# KiCad board motherboard_v1.kicad_pcb (continued)
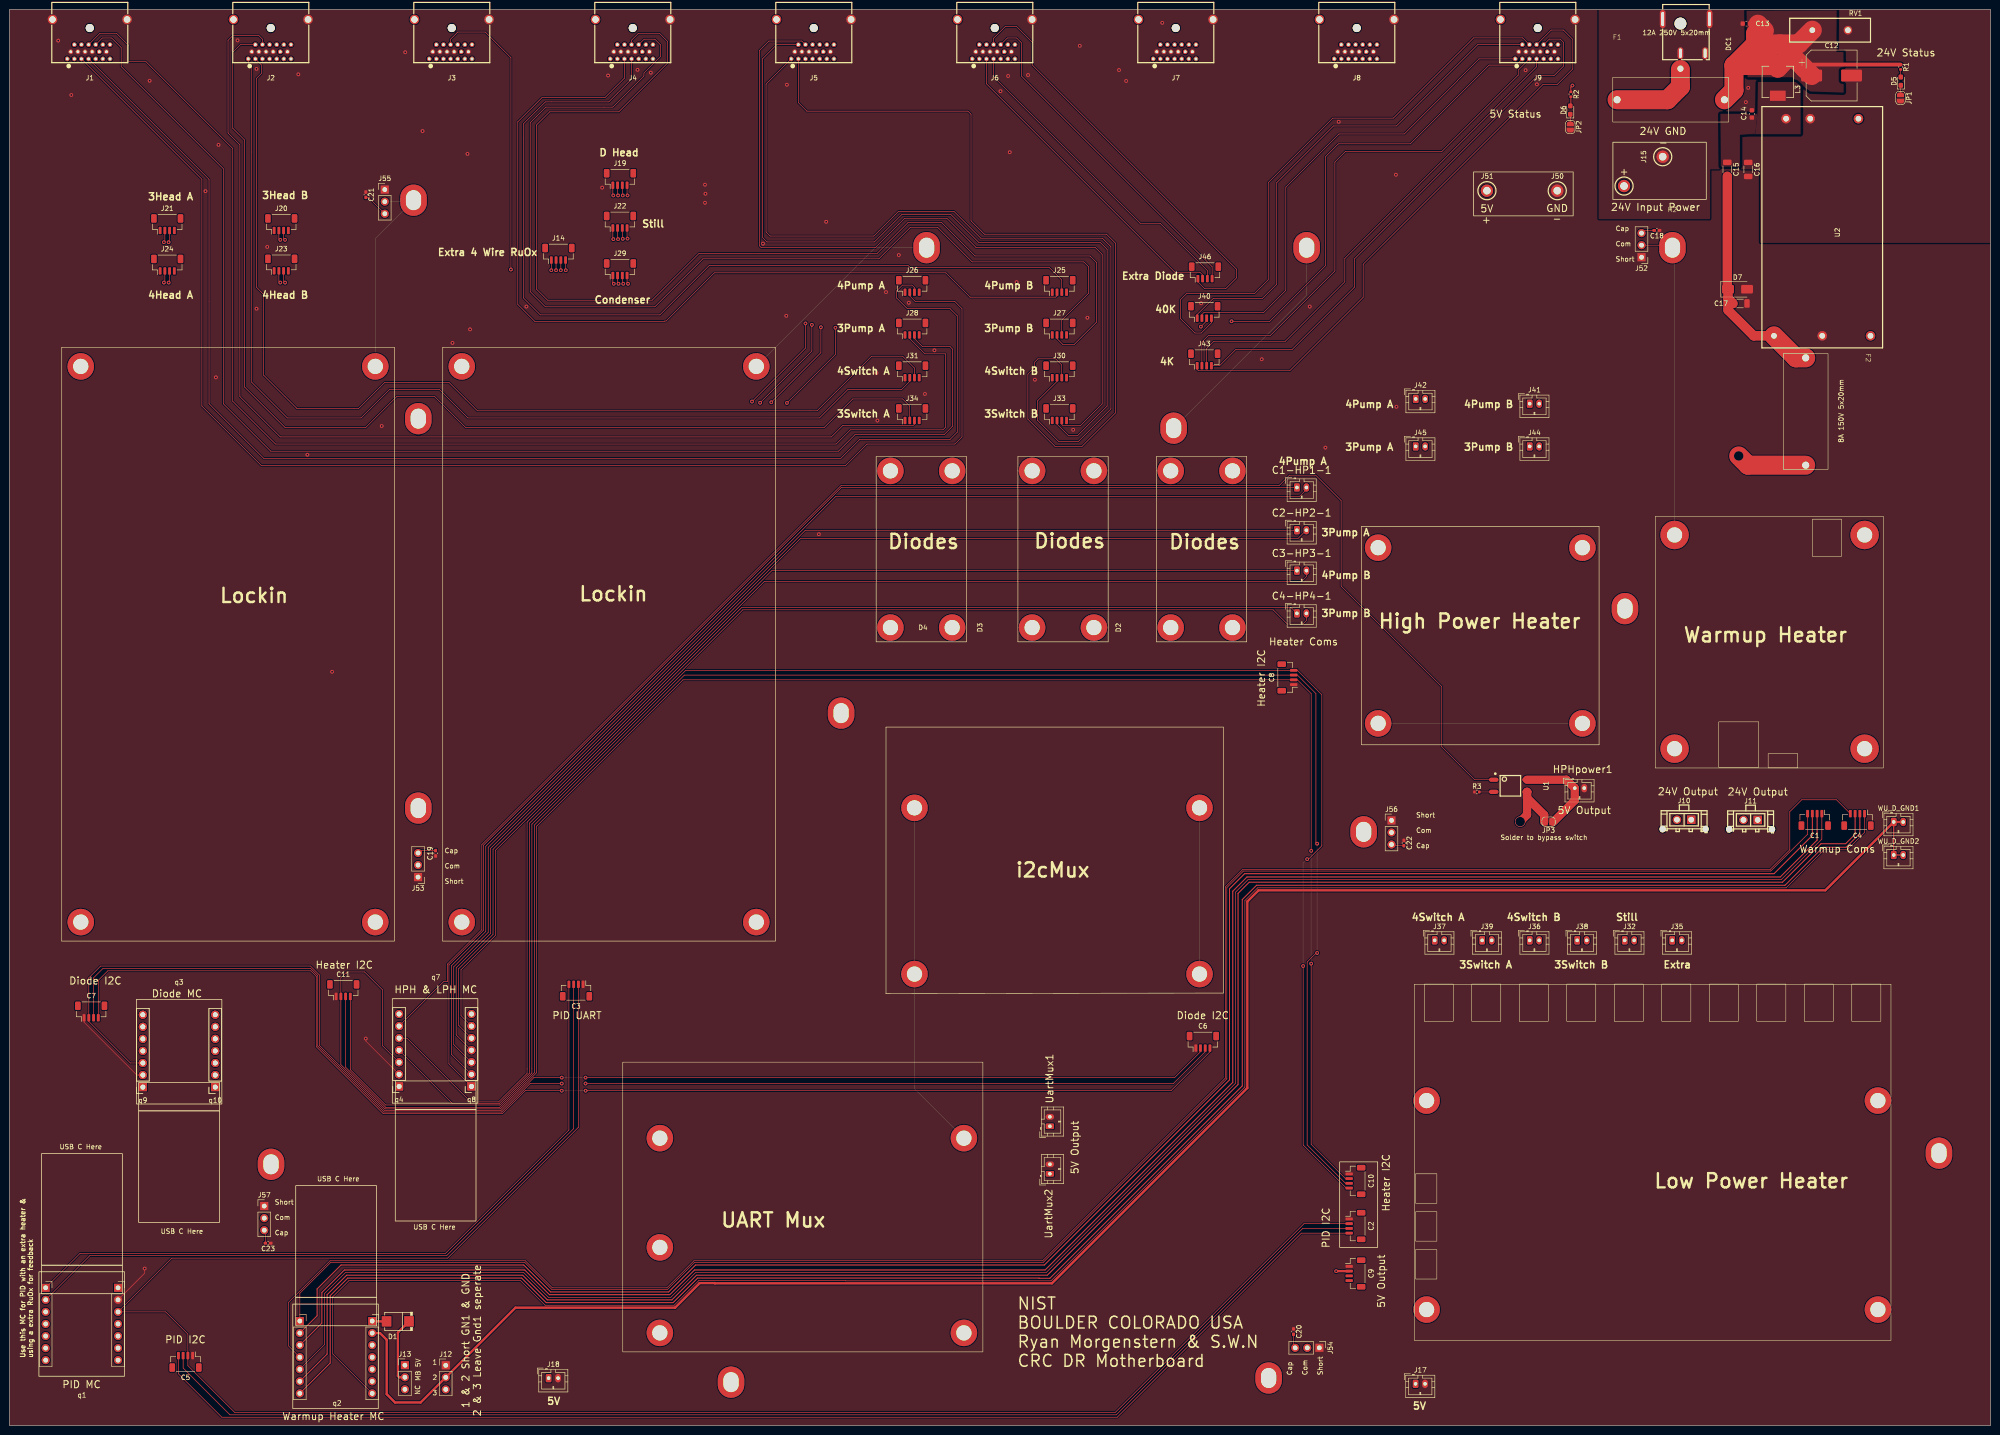
[diagram p0: board, top side]
## Nets (continued)
Net-(J27-SDA): J4.12 J27.3
Net-(J27-VCC): J4.10 J27.2
Net-(J29-gnd): J8.4 J29.1
Net-(J29-SCL): J8.6 J29.4
Net-(J29-SDA): J8.3 J29.3
Net-(J29-VCC): J8.1 J29.2
Net-(J30-SDA): J5.3 J30.3
Net-(J30-VCC): J5.1 J30.2
Net-(J32-Pin_1): J8.7 J32.1
Net-(J32-Pin_2): J8.9 J32.2
Net-(J33-SDA): J5.6 J33.3
Net-(J33-VCC): J5.4 J33.2
Net-(J35-Pin_1): J8.10 J35.1
Net-(J35-Pin_2): J8.12 J35.2
Net-(J36-Pin_1): J5.7 J36.1
Net-(J36-Pin_2): J5.9 J36.2
Net-(J38-Pin_1): J5.10 J38.1
Net-(J38-Pin_2): J5.12 J38.2
Net-(J40-gnd): J9.4 J40.1
Net-(J40-SCL): J9.6 J40.4
Net-(J40-SDA): J9.3 J40.3
Net-(J40-VCC): J9.1 J40.2
Net-(J41-Pin_1): J6.1 J41.1
Net-(J41-Pin_2): J6.3 J41.2
Net-(J43-gnd): J9.10 J43.1
Net-(J43-SCL): J9.12 J43.4
Net-(J43-SDA): J9.9 J43.3
Net-(J43-VCC): J9.7 J43.2
Net-(J44-Pin_1): J6.4 J44.1
Net-(J44-Pin_2): J6.6 J44.2
Net-(J46-gnd): J6.10 J46.1
Net-(J46-SCL): J6.12 J46.4
Net-(J46-SDA): J6.9 J46.3
Net-(J46-VCC): J6.7 J46.2
Net-(J52-Pin_3): C18.2 J52.3
Net-(J53-Pin_3): C19.2 J53.3
Net-(J54-Pin_3): C20.2 J54.3
Net-(J55-Pin_3): C21.2 J55.3
Net-(J56-Pin_3): C22.2 J56.3
Net-(J57-Pin_3): C23.2 J57.3
Net-(q7-GPIO6): q7.13 U1.1
Net-(R3-Pad2): R3.2 U1.2

Pads without a net: C1 MP; C2 MP; C3 MP; C4 MP; C5 MP; C6 MP; C7 MP; C8 MP; C9 3 4 MP; C10 MP; C11 MP; J1 13 14 15 16 18 19; J2 13 14 15 16 18 19 21; J3 13 14 15 16 18 19 21; J4 13 14 15 16 18 19 21; J5 13 14 15 16 18 19 21; J6 13 14 15 16 18 19 21; J7 13 14 15 16 18 19 21; J8 13 14 15 16 18 19 21; J9 13 14 15 16 18 19 21; J12 3; J13 3; J14 MP; J19 MP; J20 1 4 MP; J21 1 4 MP; J22 MP; J23 1 4 MP; J24 1 4 MP; J25 1 4 MP; J26 1 4 MP; J27 1 4 MP; J28 1 4 MP; J29 MP; J30 1 4 MP; J31 1 4 MP; J33 1 4 MP; J34 1 4 MP; J40 MP; J43 MP; J46 MP; q1 3 4 5 6 7 8 11 12 13 14; q2 10 11 12 13; q3 1 2 3 4 5 6 7 8 11 12 13 14; q4 1 2 3 4 5 6 7; q7 7 8 14; q8 1 2 3 4 5 6 7; q9 1 2 3 4 5 6 7; q10 1 2 3 4 5 6 7; U2 3 4

## Via types
v1: diameter 0.8, hole 0.4, Top to Bottom, 113 vias
v2: diameter 2.2, hole 2, Top to Bottom, 2 vias

## Routing (per net, layer and track width the routed paths; a pad name or vN(x,y) marks a point on that pad's centre or on a via; arc(x,y) is an arc through that point)
+5V: length 33.8
  Top w0.2: R2.1 328.67,281.81 v1(329,282.15)
  Top w0.5: v1(279.25,32.5) 279.26,32.51 C9.2
  Top w1.75: 323.04,127.12 323.04,128.56 319.44,132.16 U1.3 319.44,128.59 v2(318,127.15)
  Top w4: v2(364,204.15) 365.95,202.2 F2.2
+24V: length 123.5
  Top w0.8: R1.1 378.4,286.55 377.73,285.88
  Top w4: F1.2 363,281.15 363,286.35 ; 372.7,290.9 376.59,290.9 RV1.1 ; 372.7,290.9 375.48,288.12 ; 372.7,290.9 367.55,290.9 ; 367.55,290.9 367.55,290.48 371.68,286.35 ; 367.55,290.9 363,286.35 ; 367.55,290.9 367.55,293.05 368.8,294.3 ; 371.68,286.35 363,286.35 ; 371.68,286.35 L3.1 374.53,288.12 375.48,288.12 ; 375.48,288.12 C12.1 ; 369.4,293.7 368.05,295.05
  In3.Cu w3: 368,287 367.72,287.28 367.72,290.91
  In3.Cu w4: 363.16,286.35 361,284.19 F1.2 ; 363.16,286.35 367.72,290.91 376.6,290.91 RV1.1 ; 363.16,286.35 363,286.35 ; 363,286.35 365.65,286.35 366,286 ; 363,286.35 367.35,286.35 368,287
GND: length 37.3
  Top w0.127: v1(75,81.47) 75,80.95 q7.9 ; v1(28.45,33.05) 28.45,32.06 q1.9 ; C7.1 15.69,84.9 26.8,73.79 q3.9
  vias: v1(10.25,291.6) v1(13,280.15) v1(29.5,283.15) v1(41.25,259.9) v1(43.45,220.7) v1(44,269.65) v1(48,291.65) v1(52,285.65) v1(52,235.15) v1(54.25,248.15) v1(60.8,284.5) v1(62.7,204.4) v1(67.9,158.7) v1(78.35,210.45) v1(83.3,289.15) v1(86.95,272.55) v1(93.25,227.95) v1(96.4,267.75) v1(96.95,230.8) v1(108.8,235.6) v1(124.75,260.65) v1(126,284.25) v1(132.2,285.45) v1(135,284.85) v1(146.4,261.25) v1(146.4,257.45) v1(146.5,259.35) v1(158.6,248.85) v1(163.5,233.65) v1(163.65,282.3) v1(170.37,187.68) v1(171.9,253.45) v1(182.5,221.6) v1(182.7,211.6) v1(184.5,238.65) v1(187.2,246.45) v1(189.3,236.4) v1(192.7,217.2) v1(194.7,226.4) v1(208.6,280.95) v1(210.2,284.15) v1(210.55,268.1) v1(212,240.75) v1(214.4,284.35) v1(215.85,220.2) v1(223.9,209.65) v1(225.3,290.5) v1(226.9,233.25) v1(233.55,285.4) v1(235.05,283.1) v1(242.65,295.35) v1(250.83,236.3) v1(263.6,224.51) v1(273.7,235.6) v1(277,205.9) v1(279.8,274.51) v1(291.84,263.35) v1(291.95,214.5) v1(319.14,285.37) v1(321.52,282.4)
GND1: length 417.6
  Top w0.25: WU_D_GND1.1 WU_D_GND2.1 WU_D_GND2.2
  Top w0.5: q2.9 77.99,19.46 79.4,18.05 79.4,6.6 81.15,4.85 86.54,4.85 J12.2 106.5,24.81 140.12,24.81 145.29,29.98 148.45,29.98 148.49,29.94 219.44,29.94 260.56,71.06 260.56,110.31 262.94,112.69 382.24,112.69 WU_D_GND1.1 WU_D_GND1.2
GNDPWR:
  vias: v1(365.5,278.65) v1(366,281.65)
/CTRL 1: length 398
  Top w0.2: q2.2 64.75,23.1 64.75,28.75 69.79,33.79 108.24,33.79 113.91,28.12 138.74,28.12 144.42,33.79 217.84,33.79 256.81,72.77 256.81,113.02 259.98,116.19 371.44,116.19 379.5,124.25 C1.3
/CTRL 2: length 414.6
  Top w0.2: C4.3 388.5,124.5 386.5,122.5 381.32,122.5 373.21,114.39 260.96,114.39 258.61,112.04 258.61,71.79 218.46,31.64 144.63,31.64 139.44,26.45 113.22,26.45 108.02,31.64 70.96,31.64 66.86,27.54 66.86,15.05 q2.6
/HP_q2_SCL 1: length 403.8
  Top w0.127: C11.4 71.75,74.9 79.16,67.49 103.23,67.49 109.96,74.22 109.96,126.63 142.34,159.01 C8.4 271.1,159.01 276.25,153.86 276.25,122.06 273.44,119.25 v1(273.16,119.25) ; C10.4 281.38,49.99 272.31,59.06 v1(272.31,96.75)
  Bottom w0.127: v1(272.31,96.75) 272.31,118.41 v1(273.16,119.25)
/HP_q2_SDA 1: length 401.6
  Top w0.127: 70.75,91.12 C11.3 70.75,75.44 79.2,66.99 103.2,66.99 110.47,74.26 110.47,126.42 142.06,158.01 C8.3 271.1,158.01 275,154.11 275,122.75 v1(275.25,122.5) ; C10.3 281.23,50.99 273.16,59.06 273.16,97.6 275.06,99.5 v1(275.25,99.5)
  Bottom w0.127: v1(275.25,99.5) v1(275.25,122.5)
/ISMON 1: length 395.9
  Top w0.127: q2.1 61.11,27.84 67.62,34.36 108.44,34.36 114.13,28.66 138.52,28.66 144.21,34.36 217.61,34.36 256.25,73 256.25,113.25 259.75,116.75 370.75,116.75 378.5,124.5 C1.4
/ISMON 2: length 419.3
  Top w0.127: q2.4 59.87,15.62 59.87,15.63 58.75,16.75 58.75,25.95 67.49,34.68 108.58,34.68 114.27,28.99 138.38,28.99 144.07,34.68 217.47,34.68 255.92,73.14 255.92,113.39 259.61,117.08 370.61,117.08 374.75,121.21 374.75,129.25 377.25,131.75 384.58,131.75 C4.4
/PWM 1: length 400.7
  Top w0.2: C1.2 380.5,123.25 372.75,115.5 260.5,115.5 257.5,112.5 257.5,72.25 218,32.75 144.2,32.75 138.99,27.54 113.67,27.54 108.46,32.75 70.5,32.75 65.75,28 65.75,21.56 q2.3
/PWM 2: length 417
  Top w0.2: C4.2 389.5,124.65 386.6,121.75 381.75,121.75 373.75,113.75 262.5,113.75 259.5,110.75 259.5,71.5 219,31 216.75,31 216.71,31.04 144.85,31.04 139.68,25.87 112.98,25.87 107.8,31.04 71.21,31.04 67.5,27.33 67.5,13.15 q2.7
/Q1_3.3V: length 291.4
  Top w0.127: q3.10 25.44,76.33 16.69,85.08 C7.2 16.69,94.25 19.19,96.75 63.34,96.75 65.22,94.87 65.22,80.04 78.93,66.34 103.47,66.34 110.38,73.25 v1(116.25,73.25) ; 250.7,79.47 250.7,78.7 245.25,73.25 v1(121.25,73.25)
  In1.Cu w0.127: v1(121.25,73.25) v1(116.25,73.25)
  Bottom w0.127: v1(121.25,73.25) v1(116.25,73.25)
/Q1_SCL 1: length 275
  Top w0.127: C7.4 18.69,93.73 20.69,95.73 63.43,95.73 64.57,94.6 64.57,79.77 78.66,65.68 103.74,65.68 108.56,70.5 v1(116.25,70.5) ; 252.7,79.47 252.7,78.7 244.5,70.5 v1(121.27,70.5) 121.25,70.5
  In1.Cu w0.127: v1(116.25,70.5) v1(121.27,70.5)
  Bottom w0.127: v1(116.25,70.5) 121.25,70.5
/Q1_SDA 1: length 270.5
  Top w0.127: v1(121.25,72) 245,72 251.7,78.7 251.7,79.47 ; C7.3 17.69,94.25 19.68,96.24 63.39,96.24 64.89,94.73 64.89,79.91 78.79,66.01 103.6,66.01 109.59,72 v1(116.25,72)
  In1.Cu w0.127: v1(121.25,72) v1(116.25,72)
/Q2_3.3V: length 428.8
  Top w0.127: v1(274,97.25) 274,59.22 281.23,51.99 C10.2 ; q7.10 78.5,79.99 78.5,91.75 74.75,95.5 71,95.5 69.75,94.25 C11.2 69.75,75.98 79.06,66.66 103.33,66.66 110.98,74.31 110.98,126.21 141.78,157.01 C8.2 271.1,157.01 274,154.11 v1(274,121)
  Bottom w0.127: v1(274,121) v1(274,97.25)
/Q3_3.3V: length 431.4
  Top w0.127: C3.2 119.75,62.75 119.75,62.78 92.21,35.24 34.17,35.24 q1.10 32.88,23.92 37.55,19.25 C5.2 37.55,12.61 47.4,2.76 232.76,2.76 272.5,42.5 C2.2
/Q3_Rx0: length 154.6
  Top w0.127: q1.1 14.87,36.26 91.79,36.26 117.75,62.22 C3.4
/Q3_SCL 1: length 270.1
  Top w0.127: C5.4 35.55,10.89 44.7,1.74 233.18,1.74 271.94,40.5 C2.4
/Q3_SDA 1: length 268.4
  Top w0.127: C2.3 272.22,41.5 232.97,2.25 46.4,2.25 36.55,12.1 C5.3
/Q3_Tx0: length 156.5
  Top w0.127: C3.3 118.75,62.5 92,35.75 16.9,35.75 q1.2
/Switch 1: length 406.2
  Top w0.127: C1.1 381.5,123.48 372.98,114.96 260.73,114.96 258.04,112.27 258.04,72.02 218.23,32.21 144.42,32.21 139.21,27 113.44,27 108.23,32.21 70.73,32.21 66.29,27.77 66.29,17.02 q2.5
/Switch 2: length 418
  Top w0.127: C4.1 390.5,124.88 386.82,121.21 381.98,121.21 373.98,113.21 262.73,113.21 260.04,110.52 260.04,71.27 219.23,30.46 176.04,30.46 176,30.5 145.07,30.5 139.9,25.32 112.75,25.32 107.58,30.5 71.43,30.5 68.04,27.11 68.04,15.07 q2.14
Earth_Protective: length 1962.7
  Top w0.127: J52.2 349.52,248.52 H2.1
  In4.Cu w0.127: H10.1 404.36,57.35 H15.0 ; W1.1 W1.1 345.18,147.83 H16.1 ; W1.1 409.75,123.26 409.75,80.75 397.41,68.41 H15.0 ; W1.1 W1.1 W1.1 340.05,177.06 H13.1 331.1,180.95 H16.1 ; M2.1 280,130.05 280.02,130.02 ; D4.1 185.43,160.38 H4.1 175.05,145.5 M2.1 ; D4.1 D2.1 271.99,168.01 288.1,151.9 288.1,146.18 ; D4.1 D4.1 ; L1.1 86.05,213.95 H6.1 86.05,213.85 L2.1 L2.1 163.44,223 D4.1 ; L1.1 L1.1 48,106 ; M2.1 179.55,106 L2.1 48,106 ; M1.1 M1.1 142.4,55 184.4,55 189.9,60.5 M1.1 M1.1 ; H5.1 84.89,128.84 84.89,119.12 J53.2 77,109 L1.1 ; J57.2 58.02,48.06 58.02,52.02 H8.1 55.05,100.95 50,106 48,106 ; J56.2 285.18,124.87 H11.1 280.02,130.02 ; H15.0 283.89,10 H7.1 266.83,10 J54.2 ; H15.0 H15.0 ; H15.0 H15.0 H15.0 ; D4.1 D2.1 279.99,201.01 288.1,192.9 H16.1 ; D2.1 244.43,209.38 ; 280.02,130.02 289.27,139.27 289.27,149
  In4.Cu w0.25: M1.1 147.27,9.13 H14.1
  Bottom w0.127: H12.1 273.05,238 H3.1 ; H16.1 H16.1 ; M2.1 M2.1 ; W1.1 350.5,247.55 H2.1 ; L2.1 182.2,248 H9.1 ; L1.1 77,249.95 H1.1 84.74,257.69 J55.2 ; M2.1 M2.1 190.5,70.9 M1.1
VS: length 55.8
  Top w4: F1.1 349,279.15 351.73,281.88 351.73,285.49
  In3.Cu w4: J16.1 342.5,263.62 342.5,268.65 343.5,269.65 343.5,279.15 ; 351.73,285.49 351.73,281.88 349,279.15 343.5,279.15 ; F1.1 343.5,279.15
Net-(C1-HP1-1-Pin_1): length 258.2
  Top w0.127: q7.1 92.5,76.15 92.5,97 99.75,104.25 99.75,122.16 175.09,197.51 C1-HP1-1.1
Net-(C1-HP1-1-Pin_2): length 257.1
  Top w0.127: q7.2 93.01,78.18 93.01,96.79 100.26,104.04 100.26,121.95 173.93,195.63 271.57,195.63 273,197.06 C1-HP1-1.2
Net-(C2-HP2-1-Pin_1): length 247.7
  Top w0.127: C2-HP2-1.1 167.53,188.51 100.77,121.74 100.77,103.83 93.52,96.58 93.52,80.21 q7.3
Net-(C2-HP2-1-Pin_2): length 246.3
  Top w0.127: q7.4 94.02,82.25 94.02,96.37 101.27,103.62 101.27,121.53 166.5,186.75 271.21,186.75 272.96,188.51 C2-HP2-1.2
Net-(C3-HP3-1-Pin_1): length 237.4
  Top w0.127: C3-HP3-1.1 160.46,180 101.78,121.32 101.78,103.41 94.53,96.16 94.53,84.28 q7.5
Net-(C3-HP3-1-Pin_2): length 236.8
  Top w0.127: q7.6 95.04,86.31 95.04,95.95 102.29,103.2 102.29,121.11 158.93,177.75 272,177.75 273,178.75 C3-HP3-1.2
Net-(C4-HP4-1-Pin_1): length 269.2
  Top w0.127: q7.12 83.66,81.56 97.08,68.14 102.96,68.14 108.95,74.13 108.95,127.05 154.15,172.25 269.75,172.25 C4-HP4-1.1
Net-(C4-HP4-1-Pin_2): length 272.6
  Top w0.127: C4-HP4-1.2 273,169.5 272.25,168.75 269,168.75 266.01,171.74 154.36,171.74 109.46,126.84 109.46,74.17 103.1,67.81 93.22,67.81 q7.11
Net-(D1-A): length 3.1
  Top w0.5: q2.8 76.43,21.92 D1.2
Net-(D1-K): length 14.1
  Top w0.5: D1.1 81.75,19.58 81.75,10.43 82.03,10.15 J13.2
Net-(D5-A): length 1.6
  Top w0.127: D5.2 398.09,283.96 R1.2
Net-(D5-K): length 2
  Top w0.127: D5.1 398.06,282.12 JP1.1
Net-(D6-A): length 2
  Top w0.2: 328.67,279.78 328.67,277.96 D6.2
Net-(D6-K): length 2
  Top w0.2: D6.1 JP2.1
Net-(D7-A1): length 50.2
  Top w2: 361.75,237.3 D7.1 361.6,239.4 C15.2 ; 361.75,237.3 C17.1 ; 361.75,237.3 361.75,234.85 367.16,229.44 U2.6
  Top w4: U2.6 376.06,224.8 F2.1
Net-(HPHpower1-Pin_1): length 19.7
  Top w1.75: 324.99,127.12 329.49,131.62 HPHpower1.1 327.72,135.97 U1.4
Net-(J1-CK+): length 277
  Top w0.127: J28.2 189.5,228.85 192.7,225.65 197,225.65 197,210.15 196.5,209.65 177,209.65 174,206.65 56,206.65 47,215.65 47,268.88 28.73,287.15 25,287.15 25,290.65 22.5,293.15 19.05,293.15 J1.10
Net-(J1-CK-): length 276.4
  Top w0.127: J1.12 19.55,292.15 21.5,292.15 23.5,290.15 23.5,286.15 45,264.65 45,215.15 55,205.15 174.5,205.15 177.97,208.62 196.72,208.62 198.5,210.4 198.5,226.65 198,227.15 192.2,227.15 190.5,228.85 J28.3
Net-(J1-D0+): length 291.2
  Top w0.127: J1.7 40.5,262.4 40.5,214.65 53,202.15 176,202.15 180.5,206.65 199,206.65 200.5,208.15 200.5,235.15 199,236.65 190.7,236.65 189.5,237.85 189.5,238.62
Net-(J1-D0-): length 293.4
  Top w0.127: J1.9 42,262.4 42,215.15 53.5,203.65 175,203.65 179,207.65 198,207.65 199.5,209.15 199.5,233.65 198,235.15 189,235.15 186.75,237.4 186.75,238.9 187.97,240.12 189.97,240.12 190.5,239.58 190.5,238.62
Net-(J1-D1+): length 64.8
  Top w0.127: J24.2 32.7,240.85 v1(32.5,240.65)
  In1.Cu w0.127: J1.4 11.05,290.75 10.2,289.9 10.2,262.95 v1(32.5,240.65)
Net-(J1-D1-): length 76.9
  Top w0.127: J24.3 33.7,240.85 v1(33.5,240.65)
  In1.Cu w0.127: J1.6 15.15,292.6 14.7,293.05 9.95,293.05 8.3,291.4 8.3,262.3 31.25,239.35 32.55,239.35 32.65,239.25 32.8,239.25 33.5,239.95 v1(33.5,240.65)
Net-(J1-D2+): length 49.6
  Top w0.127: v1(32.5,249.15) 32.7,249.35 32.7,251.62
  In1.Cu w0.127: v1(32.5,249.15) 12.15,269.5 J1.1
Net-(J1-D2-): length 49.4
  Top w0.127: 33.7,251.62 33.7,249.35 v1(33.5,249.15)
  In1.Cu w0.127: v1(33.5,249.15) 33.5,252.85 14.1,272.25 14.1,286.25 13.65,286.7 J1.3
Net-(J2-CK+): length 406.5
  In4.Cu w0.127: J2.10 56.3,292.3 59.7,292.3 61.5,290.5 61.5,266.5 71.55,256.45 71.55,162.35 72.15,161.75 94.8,161.75 136.75,119.8 224.5,119.8 236.85,107.45 309.21,107.45 310,106.66 J39.1
Net-(J2-CK-): length 409.8
  In4.Cu w0.127: 60.05,267.7 60.05,265.3 70.05,255.3 70.05,161.3 71.3,160.05 94.05,160.05 135.95,118.15 135.95,118.1 222.95,118.1 234.7,106.35 303.42,106.35 306.18,103.59 306.18,101.69 308.04,99.83 311.92,99.83 311.92,99.94 312,100.02 J39.2 ; 60.05,267.7 60.05,266.95 ; 60.05,267.7 60.05,291.03 59.57,291.51 57.01,291.51 J2.12
Net-(J2-D0+): length 391.5
  In4.Cu w0.127: J2.7 56.45,284.55 56.45,264.65 66.85,254.25 66.85,158.25 67.6,157.5 92.05,157.5 135.15,114.4 221.15,114.4 233.4,102.15 J37.1
Net-(J2-D0-): length 390.9
  In4.Cu w0.127: J37.2 299.8,104.35 234.5,104.35 222.85,116 135.8,116 131.65,120.15 131.65,120.4 93.35,158.7 70,158.7 68.6,160.1 68.6,254.55 57.75,265.4 57.75,284.75 J2.9
Net-(J2-D1+): length 232
  Top w0.127: J34.2 189.5,214.65 188,216.15 177.5,216.15 171.5,210.15 96,210.15 89.5,216.65 81.5,216.65 75,210.15 58,210.15 49.5,218.65 49.5,270.65 47,273.15 47,289.15 48.6,290.75 J2.4
Net-(J2-D1-): length 232.6
  Top w0.127: J2.6 53.25,291.9 52.5,292.65 47,292.65 46,291.65 46,272.15 48.5,269.65 48.5,216.65 57,208.15 173,208.15 175.44,210.59 190.24,210.59 190.5,210.85 J34.3
Net-(J2-D2+): length 219
  Top w0.127: J2.1 50.25,286.9 51,286.15 51,219.65 58.5,212.15 74,212.15 80,218.15 90.5,218.15 96.5,212.15 170.5,212.15 176.5,218.15 187.8,218.15 189.5,219.85 J31.2
Net-(J2-D2-): length 220.6
  Top w0.127: J2.3 53,286.5 53,284.65 52,283.65 52,239.65 53.5,238.15 53.5,221.15 60.5,214.15 73.5,214.15 79,219.65 92.5,219.65 98.5,213.65 170,213.65 181.5,225.15 188,225.15 190.5,222.65 J31.3
Net-(J3-D1+): length 280.6
  In4.Cu w0.127: J45.1 295.4,206.75 259.28,206.75 251.2,214.83 176.42,214.83 163.3,227.95 95.3,227.95 93.7,229.55 93.7,259.15 85.2,267.65 85.2,289.45 86.5,290.75 J3.4
Net-(J3-D1-): length 296.5
  In4.Cu w0.127: J45.2 296.86,205.01 257.59,205.01 248.95,213.65 174.9,213.65 162.05,226.5 93.05,226.5 92.05,227.5 92.05,258.6 83.8,266.85 83.8,278.35 78.45,283.7 78.45,285.75 85.2,292.5 90.4,292.5 91.35,291.55 J3.6
Net-(J3-D2+): length 272.9
  In4.Cu w0.127: J42.1 288.5,208.65 260.25,208.65 252.55,216.35 177.6,216.35 164.45,229.5 96.45,229.5 94.95,231 94.95,259.9 88.35,266.5 J3.1
Net-(J3-D2-): length 273.3
  In4.Cu w0.127: J42.2 298,216.55 295.6,218.95 294.5,218.95 285.65,210.1 261.8,210.1 254.04,217.86 178.99,217.86 165.75,231.1 98.8,231.1 97.25,232.65 97.25,260.3 89.85,267.7 J3.3
Net-(J14-gnd): length 72
  Top w0.127: J3.10 92.85,291.9 94.35,293.4 100.15,293.4 105.55,288 v1(105.55,243.4) ; J14.1 v1(114.05,243.25)
  In4.Cu w0.127: v1(105.55,243.4) 105.7,243.25 v1(114.05,243.25)
Net-(J14-SCL): length 63.9
  Top w0.127: v1(117.1,243.25) 117.05,243.3 J14.4
  In4.Cu w0.127: v1(117.1,243.25) 117.1,251.5 103.6,265 103.6,287.7 99.1,292.2 95.8,292.2 J3.12
Net-(J14-SDA): length 56.3
  Top w0.127: J14.3 v1(116.05,243.25)
  In4.Cu w0.127: J3.9 94.05,286.55 94.05,272.5 116.05,250.5 v1(116.05,243.25)
Net-(J14-VCC): length 68.2
  Top w0.127: J14.2 v1(115.05,243.25)
  In4.Cu w0.127: J3.7 92.2,286.9 92.2,269.75 103.6,258.35 103.6,241.65 104.9,240.35 114.2,240.35 115.05,241.2 v1(115.05,243.25) 115.05,243.7
Net-(J19-gnd): length 135.1
  Top w0.127: J19.1 127,259.1 v1(127.1,259)
  In1.Cu w0.127: v1(127.1,259) 127.1,266.9 130.55,270.35 211.2,270.35 231.6,290.75 J7.4
Net-(J19-SCL): length 152.1
  Top w0.127: J19.4 130,259.1 v1(130.1,259)
  In1.Cu w0.127: v1(130.1,259) 130.1,257.6 129.3,256.8 124.4,256.8 123.35,257.85 123.35,266.25 129.3,272.2 210.55,272.2 230.85,292.5 243,292.5 243.75,291.75 J7.6
Net-(J19-SDA): length 131.3
  Top w0.127: J19.3 129,259.1 v1(129.1,259)
  In1.Cu w0.127: J7.3 242.25,286.75 241.85,286.35 231.35,286.35 212.4,267.4 131.55,267.4 129.1,264.95 v1(129.1,259)
Net-(J19-VCC): length 130.9
  Top w0.127: J19.2 128,259.1 v1(128.1,259)
  In1.Cu w0.127: J7.1 230.9,287.75 211.95,268.8 130.85,268.8 128.1,266.05 v1(128.1,259)
Net-(J20-SDA): length 93.1
  Top w0.127: 57.7,251.62 57.7,249.95 v1(58,249.65)
  In1.Cu w0.127: v1(58,249.65) 58,255.4 84.05,281.45 124.9,281.45 127.95,284.5 J4.3
Net-(J20-VCC): length 92
  Top w0.127: v1(57,249.65) 56.7,249.95 56.7,251.62
  In1.Cu w0.127: v1(57,249.65) 57,256.35 84.13,283.48 123.5,283.48 126.45,286.43 J4.1
Net-(J22-gnd): length 159.6
  Top w0.127: v1(127.1,249.8) 127,249.9 J22.1
  In1.Cu w0.127: J7.10 245.25,292.25 243.45,294.05 230.35,294.05 210,273.7 128.25,273.7 121.35,266.8 121.35,254.85 126.4,249.8 v1(127.1,249.8)
Net-(J22-SCL): length 174.7
  Top w0.127: J22.4 130,250 v1(130.1,249.9)
  In1.Cu w0.127: J7.12 246.75,295.75 246.25,296.25 242,296.25 240.3,294.55 236.1,294.55 235.35,295.3 228.85,295.3 208.95,275.4 126.95,275.4 119.55,268 119.55,254.35 125.25,248.65 129.9,248.65 130.1,248.85 v1(130.1,249.9)
Net-(J22-SDA): length 139.8
  Top w0.127: v1(129.1,249.86) 129,249.95 J22.3
  In1.Cu w0.127: v1(129.1,249.86) 129.1,252.9 133.6,257.4 133.6,261.65 136.25,264.3 215.65,264.3 233.35,282 241.8,282 245.25,285.45 J7.9
Net-(J22-VCC): length 139.9
  Top w0.127: v1(128.1,249.8) 128,249.9 J22.2
  In1.Cu w0.127: J7.7 243.75,286.1 242.1,284.45 232.6,284.45 213.85,265.7 135.25,265.7 132.3,262.75 132.3,258.3 128.1,254.1 v1(128.1,249.8)
Net-(J23-SDA): length 116.3
  Top w0.127: v1(58,240.65) 57.7,240.95 57.7,243.12
  In1.Cu w0.127: v1(58,240.65) 58,240.15 57.5,239.65 55.5,239.65 53.5,241.65 53.5,256.85 82.8,286.15 117,286.15 123.5,292.65 129,292.65 129.45,292.2 J4.6
Net-(J23-VCC): length 106.3
  Top w0.127: 56.7,243.12 56.7,240.95 v1(57,240.65)
  In1.Cu w0.127: J4.4 124.6,290.75 118.5,284.65 83.3,284.65 55,256.35 55,242.65 v1(57,240.65)
Net-(J25-SDA): length 190.6
  Top w0.127: J4.9 130.95,283.5 126.15,278.7 112.8,278.7 108.15,274.05 108.15,237.45 111.75,233.85 136.9,233.85 147.3,244.25 189.15,244.25 189.6,243.8 218.9,243.8 221.5,241.2 221.5,238.62
Net-(J25-VCC): length 191
  Top w0.127: 220.5,238.62 220.5,237.85 220.24,237.59 202.21,237.59 197.1,242.7 148.35,242.7 138.2,232.55 137.9,232.55 137.85,232.5 110.55,232.5 107,236.05 107,274.5 112.1,279.6 125.35,279.6 129.45,283.7 J4.7
Net-(J27-SDA): length 223.1
  Top w0.127: J4.12 133.6,291.9 135.85,291.9 137.05,290.7 137.05,288.27 133.55,284.77 133.55,284.15 127,277.6 112.9,277.6 109.6,274.3 109.6,238.75 112.8,235.55 135.85,235.55 145.95,245.65 183,245.65 189.65,252.3 195.35,252.3 202.65,245 226.15,245 227.1,244.05 227.1,238.35 221.5,232.75 J27.3
Net-(J27-VCC): length 235.2
  Top w0.127: J27.2 220.5,228.85 221.7,227.65 224.15,227.65 228.8,232.3 228.8,244.9 227.45,246.25 203.25,246.25 196.2,253.3 189.15,253.3 182.65,246.8 145.15,246.8 135.3,236.95 113.25,236.95 110.9,239.3 110.9,273.8 113.7,276.6 128.25,276.6 138.55,286.9 138.55,291.4 136.8,293.15 132.4,293.15 130.95,291.7 J4.10
Net-(J29-gnd): length 177.3
  Top w0.127: v1(127.2,240.4) 127,240.6 J29.1
  In1.Cu w0.127: J8.4 267.6,290.75 255.5,278.65 235.7,278.65 217.2,260.15 144.45,260.15 127.2,242.9 v1(127.2,240.4)
Net-(J29-SCL): length 189.9
  Top w0.127: J29.4 130,240.6 v1(130.2,240.4)
  In1.Cu w0.127: J8.6 281.85,291.8 281.05,292.6 267.2,292.6 254.85,280.25 234.65,280.25 216.6,262.2 144.7,262.2 124.45,241.95 124.45,240.45 125.25,239.65 130.2,239.65 v1(130.2,240.4)
Net-(J29-SDA): length 172.8
  Top w0.127: v1(129.2,240.4) 129,240.6 J29.3
  In1.Cu w0.127: J8.3 278.45,285.85 268.25,285.85 257.2,274.8 237.1,274.8 218.65,256.35 144.85,256.35 130.5,242 130.45,242 129.2,240.75 v1(129.2,240.4)
Net-(J29-VCC): length 172.8
  Top w0.127: v1(128.2,240.4) 128,240.6 J29.2
  In1.Cu w0.127: J8.1 267.45,287.75 256.45,276.75 236.45,276.75 218.05,258.35 144.9,258.35 128.2,241.65 v1(128.2,240.4)
Net-(J30-SDA): length 182.6
  Top w0.127: J5.3 166.05,278.55 167.85,276.75 201.75,276.75 202.4,276.1 202.4,253.65 205.2,250.85 230.9,250.85 232.8,248.95 232.8,213.2 225.75,206.15 220.1,206.15 214.38,211.87 214.38,221.37 215.8,222.8 215.8,223.9 216.5,224.6 220.2,224.6 221.5,223.3 J30.3
Net-(J30-VCC): length 181.8
  Top w0.127: J5.1 159.25,282.45 159.25,251.3 160.1,250.45 181.95,250.45 187.15,255.65 198.8,255.65 204.45,250 230.05,250 231.85,248.2 231.85,214.05 225,207.2 220.85,207.2 216.35,211.7 216.35,215.7 220.5,219.85 J30.2
Net-(J32-Pin_1): length 225.3
  In4.Cu w0.127: J32.1 340,119.3 316.55,142.75 316.55,190.7 326.85,201 326.85,218.55 325.25,220.15 313.15,220.15 281.85,251.45 J8.7
Net-(J32-Pin_2): length 225.4
  In4.Cu w0.127: J32.2 342,119.99 317.95,144.04 317.95,189.75 328.45,200.25 328.45,219.45 326.1,221.8 314.4,221.8 283.35,252.85 J8.9
Net-(J33-SDA): length 172.8
  Top w0.127: J5.6 166.79,291.51 159.86,291.51 157.85,289.5 157.85,248.4 158.25,248 182.25,248 188.45,254.2 197.3,254.2 203.45,248.05 228.55,248.05 230,246.6 230,215.1 225.49,210.59 221.71,210.59 221.5,210.8 J33.3
Net-(J33-VCC): length 172.5
  Top w0.127: J33.2 220.5,210.85 222.85,208.5 224.9,208.5 231.05,214.65 231.05,247.65 229.6,249.1 204.05,249.1 198.2,254.95 187.8,254.95 182.05,249.2 159.45,249.2 158.55,250.1 158.55,287.8 161.5,290.75 J5.4
Net-(J35-Pin_1): length 259.6
  In4.Cu w0.127: J35.1 350,100.96 351.32,99.64 354.48,99.64 354.94,100.1 354.94,113.7 341.37,127.27 341.37,138.21 336.87,142.71 326.87,142.71 322.69,146.89 322.69,187.38 332.89,197.58 332.89,197.68 333.36,198.15 333.36,222.27 328.62,227.01 316.03,227.01 288.73,254.31 288.73,281.05 292.08,284.4 292.08,290.93 289.4,293.61 286.21,293.61 J8.10
Net-(J35-Pin_2): length 244.3
  In4.Cu w0.127: J35.2 352,113.17 338.84,126.33 338.84,136.89 335.47,140.26 325.55,140.26 320.04,145.77 320.04,188.56 330.41,198.93 330.41,220.87 327.43,223.85 315.65,223.85 285.69,253.8 285.69,281.14 289.14,284.59 289.14,291.01 288.07,292.08 286.18,292.08 J8.12
Net-(J36-Pin_1): length 347.3
  Top w0.127: v1(156.3,215.6) 167.55,226.85 v1(167.55,232.05)
  In4.Cu w0.127: J5.7 v1(167.55,232.05) ; J36.1 320,107.51 317.96,109.55 238.2,109.55 226.35,121.4 223.45,121.4 ; v1(156.3,215.6) 156.3,123.5 158.4,121.4 226.15,121.4
Net-(J36-Pin_2): length 343.2
  Top w0.127: v1(158,215.35) 168.9,226.25 v1(168.9,231.75)
  In4.Cu w0.127: J5.9 169.05,231.9 v1(168.9,231.75) ; J36.2 322,107.89 319.09,110.8 240.95,110.8 236.85,114.9 236.7,114.9 228.6,123 161.55,123 158,126.55 v1(158,215.35)
Net-(J38-Pin_1): length 359.7
  Top w0.127: v1(173.85,231.15) 173.85,225.5 v1(163.65,215.3)
  In4.Cu w0.127: v1(173.85,231.15) 172.56,232.44 172.56,281.01 176.2,284.65 176.2,292.05 175.15,293.1 171.4,293.1 J5.10 ; v1(163.65,215.3) 163.6,215.25 163.6,129.6 166.45,126.75 231.25,126.75 244.45,113.55 326.53,113.55 330,110.08 J38.1
Net-(J38-Pin_2): length 365.4
  Top w0.127: v1(160.35,215.45) 170.8,225.9 v1(170.8,231.25)
  In4.Cu w0.127: v1(160.35,215.45) 160.35,127.9 162.85,125.4 229.05,125.4 242.25,112.2 326.55,112.2 327.94,110.81 327.94,100.1 328.59,99.45 329.3,99.45 J38.2 ; v1(170.8,231.25) 170.8,281.8 175,286 175,291.1 174.15,291.95 171.75,291.95 J5.12
Net-(J40-gnd): length 105.3
  Top w0.127: J9.4 309.06,290.75 291.94,273.63 278.69,273.63 266.76,261.7 266.76,240.33 263.75,237.32 253.39,237.32 250,233.92 J40.1
Net-(J40-SCL): length 122.4
  Top w0.127: J40.4 253,232.18 250.85,230.03 249.53,230.03 246.52,233.04 246.52,237.09 247.74,238.31 262.04,238.31 264.96,241.23 264.96,261.67 278.57,275.28 291.31,275.28 308.2,292.17 318.53,292.17 J9.6
Net-(J40-SDA): length 107.3
  Top w0.127: J9.3 317.15,286.45 311.45,286.45 294.86,269.86 279.71,269.86 277.02,267.17 277.02,244.23 265.25,232.46 257.28,232.46 v1(257.24,232.5) ; 252.08,233.59 252,233.51 J40.3 252,232.59 v1(250.78,231.37)
  In2.Cu w0.127: v1(257.24,232.5) 256.11,231.37 v1(250.78,231.37)
Net-(J40-VCC): length 101.8
  Top w0.127: J9.1 309.34,287.75 304.82,283.23 304.82,283.16 293.6,271.94 279.86,271.94 268.67,260.75 268.67,239.04 263.98,234.35 251.43,234.35 251,233.92 J40.2
Net-(J41-Pin_1): length 191.8
  In4.Cu w0.127: J6.1 202.65,224.4 203.85,223.2 257.4,223.2 266.25,214.35 281.4,214.35 290.2,223.15 300.75,223.15 308.75,215.15 J41.1
Net-(J41-Pin_2): length 191.2
  In4.Cu w0.127: J6.3 204.15,227.1 206.45,224.8 259.05,224.8 267.6,216.25 281.05,216.25 289.75,224.95 301.95,224.95 301.95,224.8 309.8,216.95 320.95,216.95 322,215.9 J41.2
Net-(J43-gnd): length 126.3
  Top w0.127: J9.10 324.53,293.83 327.09,293.83 329.08,291.84 329.08,285.65 325.78,282.35 322.79,282.35 284.94,244.5 284.94,237.53 269.49,222.08 250.3,222.08 250,222.38 J43.1
Net-(J43-SCL): length 113.7
  Top w0.127: J9.12 324.12,291.92 326.42,291.92 327.16,291.18 327.16,286.26 325.1,284.2 321.67,284.2 283.15,245.68 283.15,239.72 270.02,226.59 258.16,226.59 254.72,223.15 J43.4
Net-(J43-SDA): length 102.2
  Top w0.127: J43.3 252,226.77 253.53,228.3 268.56,228.3 281.09,240.83 281.09,245.73 321.45,286.09 J9.9
Net-(J43-VCC): length 112.7
  Top w0.127: J43.2 251,228.13 252.39,229.52 265.41,229.52 279,243.11 279,266.04 281.25,268.29 301.54,268.29 317.58,284.33 317.58,285.38 J9.7
Net-(J44-Pin_1): length 205.2
  In4.Cu w0.127: J44.1 315.2,206.15 299.75,221.6 291.2,221.6 282.45,212.85 264.35,212.85 256.15,221.05 201.65,221.05 200.2,222.5 200.2,289.3 201.65,290.75 J6.4
Net-(J44-Pin_2): length 218.3
  In4.Cu w0.127: J44.2 319.3,203.45 315.05,203.45 298.45,220.05 291.8,220.05 283.2,211.45 262.55,211.45 254.95,219.05 199.5,219.05 198.7,219.85 198.7,290.6 200.75,292.65 204.9,292.65 205.65,291.9 J6.6
Net-(J46-gnd): length 89.7
  Top w0.127: J46.1 250.15,240.8 251.6,239.35 256,239.35 258.3,241.65 258.3,243.45 215.4,286.35 215.4,291.15 212,294.55 209.6,294.55 207.15,292.1 J6.10
Net-(J46-SCL): length 71.6
  Top w0.127: J6.12 210.05,292.15 212,292.15 213,291.15 213,284.15 253.15,244 J46.4
Net-(J46-SDA): length 67.4
  Top w0.127: J6.9 207.15,284 238,253.15 242.2,253.15 252.15,243.2 J46.3
Net-(J46-VCC): length 68.2
  Top w0.127: J46.2 251.15,242.25 250.56,242.84 245.31,242.84 205.65,282.5 J6.7
Net-(J52-Pin_3): length 2.9
  Top w0.127: J52.3 344.11,251.64 C18.2
Net-(J53-Pin_3): length 3.9
  Top w0.127: C19.2 86.51,121.06 J53.3
Net-(J54-Pin_3): length 3
  Top w0.127: J54.3 270.28,16.72 C20.2
Net-(J55-Pin_3): length 5.4
  Top w0.127: C21.2 75.57,258.58 J55.3
Net-(J56-Pin_3): length 2.7
  Top w0.127: J56.3 291.17,122.07 C22.2
Net-(J57-Pin_3): length 2.8
  Top w0.127: C23.2 53.86,40.89 J57.3
Net-(q7-GPIO6): length 335.6
  Top w0.127: q7.13 91.36,93.45 92.17,93.45 92.17,97.14 99.42,104.39 99.42,122.3 175.07,197.94 267.29,197.94 269.45,200.1 274.95,200.1 280.3,194.75 280.3,176.75 301.5,155.55 301.5,142.9 308.43,135.97 U1.1
Net-(R3-Pad2): length 3.1
  Top w0.127: R3.2 312.41,133.39 U1.2

## Copper pours and planes (outline as drawn; the poured copper is in the pictures)
+5V on In3.Cu: -4.82,308.12 334,303.3 334,253.5 358.5,253.5 358.5,264 368,264 368,248.5 430.41,248.5 431.18,-24.88 -1.82,-17.88
+24V on Top, In3.Cu: 365.65,297.89 384.63,297.97 384.55,289.2 386.05,289.2 386.1,280.65 379.05,280.89 375.25,283.89 365.85,283.89
+24V on In3.Cu: 401.55,289.6 402,252 402,133 367,133 366.6,121.4 359.1,121.4 359,130.5 352.75,130.5 352.6,125.4 344,125.4 344,149.5 382.5,153 382.5,184.25 384,197.37 384,289.2
/24V to 5V Power/Vin on Top: 367.94,276.19 360.14,276.19 360.25,265.06 364.25,265.06 364.25,271.75 367.5,272
/24V to 5V Power/Vin on Top, In3.Cu: 363.22,276.16 367.94,276.19 368.05,282.89 376,282.89 377.05,282 377.05,271.89 363.05,271.89
GND on Top, Bottom, In1.Cu, In2.Cu, In4.Cu: -3,310.94 444,310.94 448,-17.06 -3,-19.06
GNDPWR on Top, Bottom, In1.Cu, In2.Cu, In3.Cu, In4.Cu: 334.5,303.34 334.5,254 358,254 358,264.5 368.5,264.5 368.5,249 420.5,249 420,304.4
GNDPWR on In3.Cu: 402,305.65 402,133 381,133 366.75,132.75 366.6,120.4 359.1,120.4 359,130.5 352.75,130.5 352.6,125.4 352.5,112 420.75,112 420.75,305.15

## Text on the board
B.Silkscreen: NIST / BOULDER COLORADO USA / Ryan Morgenstern & S.W.N / CRC DR Motherboard
F.Silkscreen: USB C Here | Short / Com / Cap | 1 / 2 / 3 | Cap / Com / Short | Solder to bypass switch | 12A 250V 5x20mm | NC | MB 5V | 8A 150V 5x20mm | Use this MC for PID with an extra heater & / using a extra RuOx for feedback | PID MC | Diode I2C | Diode MC | PID I2C | Warmup Heater MC | Heater I2C | HPH & LPH MC | PID UART | Heater Coms | 5V | + | GND | - | 5V Output | 24V Input Power | 24V GND | 24V Output | Warmup Coms | 5V Status | 24V Status | 1 & 2 Short GN1 & GND / 2 & 3 Leave Gnd1 seperate | 3Head A | 4Head A | 3Head B | 4Head B | Extra 4 Wire RuOx | Condenser | D Head | Still | 4Pump A | 3Pump A | 4Switch A | 3Switch A | 4Pump B | 3Pump B | 4Switch B | 3Switch B | Extra Diode | 40K | 4K | Extra | NIST / BOULDER COLORADO USA / Ryan Morgenstern & S.W.N / CRC DR Motherboard | Lockin | UART Mux | Diodes | High Power Heater | Low Power Heater | Warmup Heater
